# Altium PCB SFarmGW.PcbDoc (part 2 of 2)
Units mm, origin at the board's own origin, x right, y up, seen from the top; angles counter-clockwise.
Board outline 87.5 x 70 mm, 4 copper layers (Top Layer, GND Plane, Power Plane, Bottom Layer), stack 1.597 mm thick; 125 components, 103 nets, 518 pads, 444 vias.
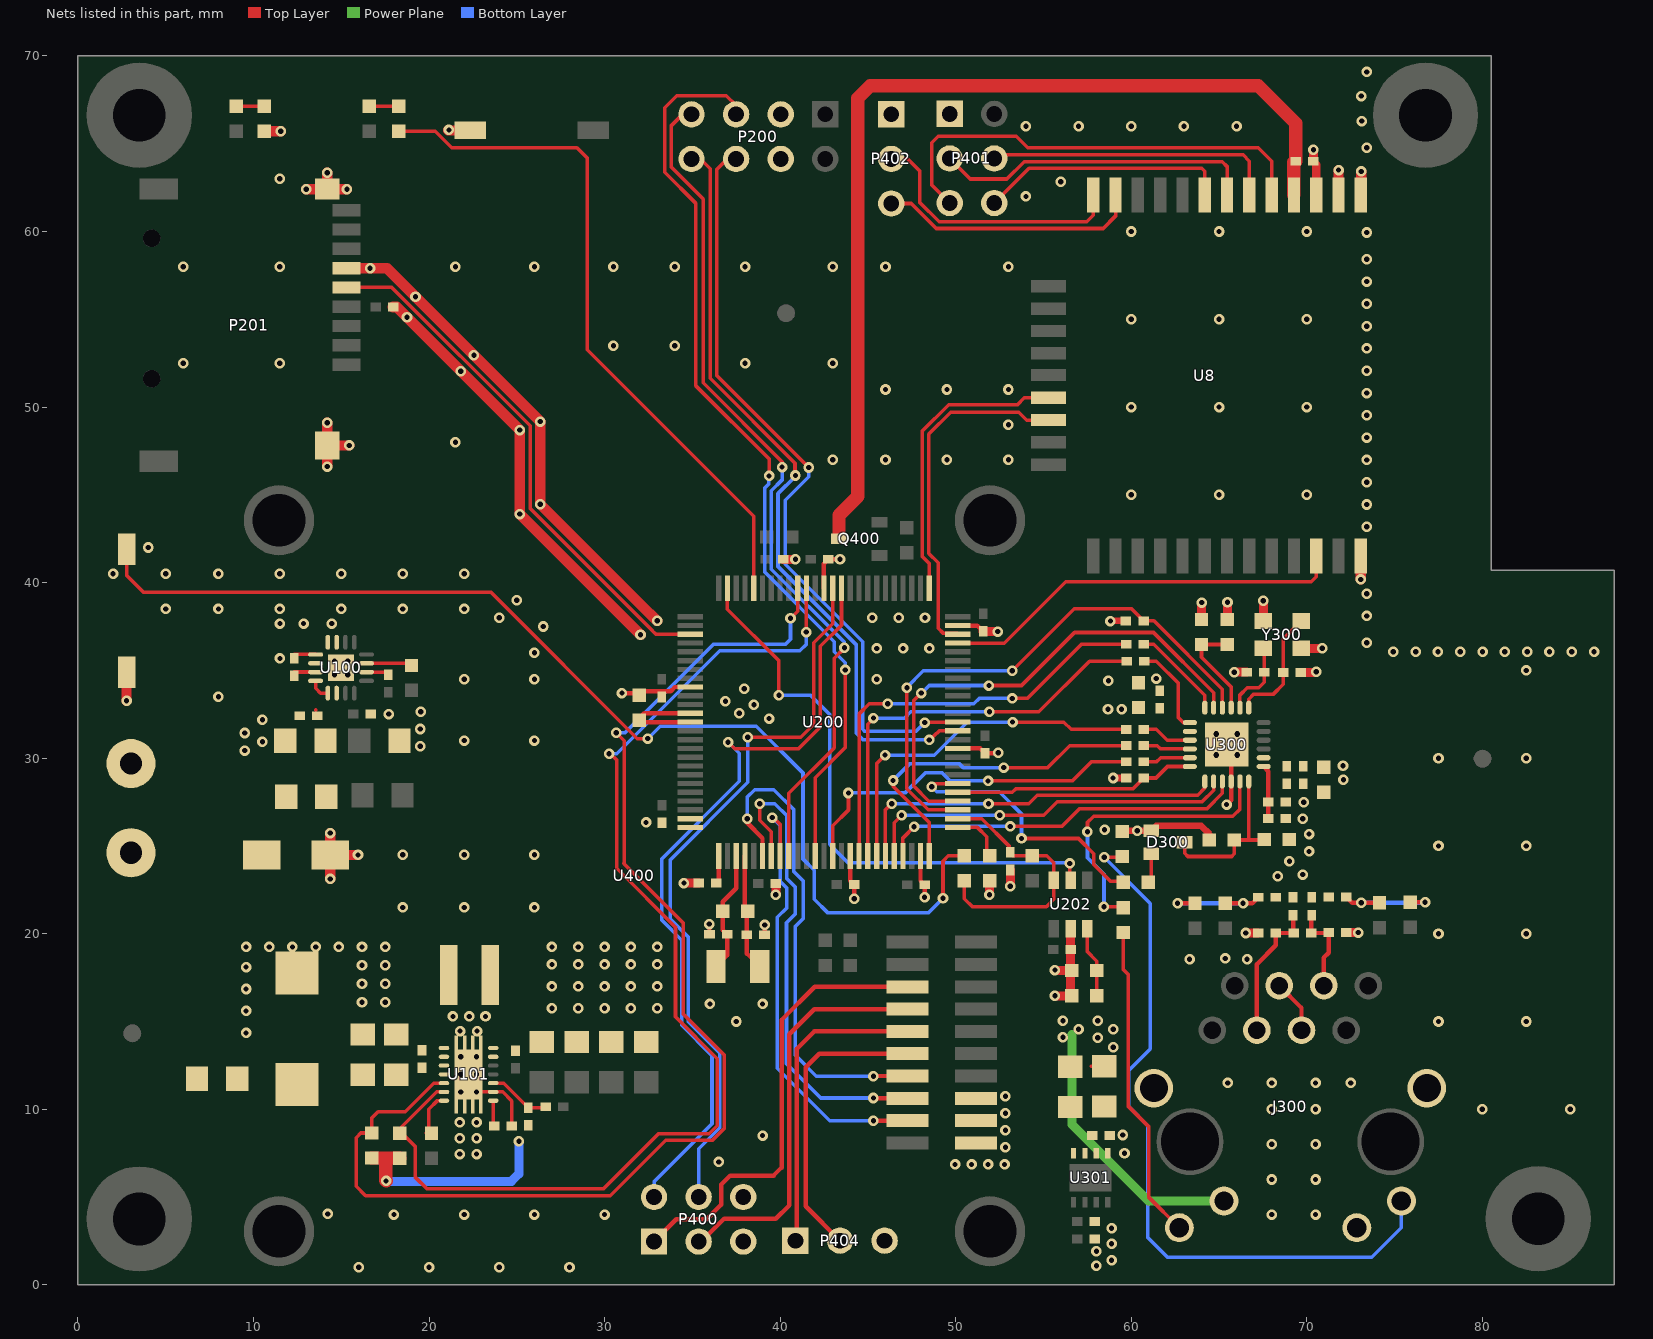
[diagram p4: the nets of this part, all layers, seen from the top]

## Via types
v1: diameter 0.6, hole 0.3, Top Layer to Bottom Layer, tented both sides, 440 vias
v2: diameter 0.66, hole 0.33, Top Layer to Bottom Layer, tented both sides, 4 vias

## Nets (pads, with @x,y where several pads share a name; then routed paths per layer and width w, separated by ;. In a path a pad name is that pad's centre, name@x,y a point inside that pad or via, vN(x,y) a via of type N, cw(c..) or ccw(c..) an arc to the next point about the centre after c; other vN are vias at no path point) (continued)
GND: BT200.1 BT201.2 C10.2 C101.1 C102.1 C103.1 C104.1 C105.1 C106.1 C107.1 C108.1 C109.1 C110.1 C111.1 C112.1 C113.2 C114.1 C115.1 C200.2 C201.2 C202.1 C203.2 C204.1 C205.2 C206.2 C207.1 C208.2 C209.1 C210.2 C211.1 C212.1 C213.1 C300.1 C301.1 C302.1 C303.1 C304.1 C305.1 C306.1 C307.1 C308.1 C309.1 C310.1 C311.1 C312.1 C313.1 C314.1 C315.1 C316.1 C317.1 C400.1 D100.2 J300.9 J300.10 J300.12 P100.1 P200.3 P200.4 P201.6 P201.10 P201.11 P400.5 P400.6 P401.1 P402.1 P404.3 PWR.2 R107.1 R108.1 R109.1 R202.1 R207.1 R210.1 R211.1 R311.1 U8.1 U8.2 U8.3 U8.35 U100.7 U100.8 U100.9 U100.10 U100.17 U101.2 U101.15 U200.9 U200.24 U200.25 U200.41 U200.49 U200.60 U200.74 U200.88 U202.2 U300.22 U300.25 U301.5 U400.15 U400.17 U400.19 Y300.2 Y300.4 | length 131
  Top Layer w0.203: C105.1@12.319,35.908 U100.9@13.532,35.908 ; U101.15@22.25,11.989 22.25,10.989 24.194,10.989 24.714,10.468 24.714,9.054 C115.1@24.706,9.046
  Top Layer w0.254: v1(30.988,33.706) 31.979,33.706 32.088,33.815 33.765,33.815 34.004,34.055 U200.9@34.869,34.055 ; v1@35.966,20.523 v1(35.966,20.549) 35.974,20.541 C204.1@35.974,19.964 ; C207.1@39.108,19.939 39.116,19.947 v1(39.116,20.498) v1@39.116,20.574 ; U200.88@42.494,39.68 42.494,41.08 C201.2@42.74,41.326 v1(43.409,41.326) ; U200.41@43.994,24.43 43.994,23.028 C209.1@44.213,22.809 44.213,21.979 v1(44.221,21.987) ; U200.49@47.994,24.43 47.994,23.016 C211.1@48.227,22.784 v1(48.227,22.081) v1@48.26,22.047 ; U200.60@50.119,30.555 51.394,30.555 C210.2@51.664,30.285 52.408,30.285 v1(52.426,30.302) ; U200.74@50.119,37.555 51.226,37.555 C206.2@51.562,37.219 ; v1(65.43,27.356) 65.69,27.615 U300.22@65.69,28.675 65.69,30.525 U300.25@65.44,30.775 ; C400.1@70.325,64.008 C400.1@70.536,63.797
  Top Layer w0.508: v1(34.519,22.885) C205.2@35.365,22.885 ; C208.2@39.743,22.86 39.751,22.852 v1(39.751,22.225) ; C202.1@40.175,41.326 v1(40.869,41.326) ; C206.2@51.562,37.219 52.392,37.219 v1(52.4,37.211) ; v1(51.918,22.225) R207.1@51.918,23.012 ; v1(53.111,22.708) 53.086,22.708 53.061,22.733 53.111,22.784 C213.1@53.111,23.63 ; v1(55.651,16.459) R211.1@56.617,16.459 56.54,16.535 U202.2@56.54,20.291 ; v1(55.651,17.932) 55.677,17.907 R210.1@56.617,17.907 ; C311.1@64,37.897 64,38.727 64.008,38.735 v1(64.008,38.862) ; R311.1@65.473,37.897 65.473,38.879 v1(65.481,38.887) ; v1@65.837,34.874 v1(65.862,34.9) C313.1@66.573,34.9 ; v1(67.513,38.964) 67.522,38.954 Y300.4@67.522,37.808 ; C312.1@69.656,34.874 70.485,34.874 v1(70.536,34.925) ; Y300.2@69.672,36.258 v1(70.879,36.258) v1@70.891,36.246 ; C400.1@70.375,64.008 v1(70.375,64.66) ; U8.3@70.536,62.078 C400.1@70.536,63.797
  Top Layer w0.584: v1(2.769,33.274) BT201.2@2.769,34.905 ; PWR.2@10.617,65.71 v1(11.557,65.71) ; v1(13.011,62.414) P201.10@14.197,62.414 ; v1(14.197,46.61) P201.11@14.197,47.814 ; v1(14.197,49.099) P201.11@14.197,47.814 ; v1(14.197,63.346) P201.10@14.197,62.414 ; v1(14.371,23.12) D100.2@14.371,24.486 ; v1(14.371,25.736) D100.2@14.371,24.486 ; v1(15.322,62.414) P201.10@14.197,62.414 ; v1(15.454,47.814) P201.11@14.197,47.814 ; v1(15.951,24.486) D100.2@14.371,24.486 ; v1@21.092,65.771 21.118,65.771 v1(21.133,65.786) 21.158,65.761 BT200.1@22.357,65.761 ; U8.2@71.806,62.078 v1(71.806,63.5) ; v1(73.076,40.183) U8.35@73.076,41.518 ; U8.1@73.076,62.078 73.101,62.103 v1(73.101,63.424)
  Top Layer w0.61: P201.6@15.297,57.914 17.6,57.914 v1(19.227,56.286) v1(22.555,52.958) v1(26.34,49.174) v1(26.34,44.463) 32.606,38.197 32.613,38.197 32.989,37.821 v1(32.995,37.821) ; C10.2@17.95,55.702 18.159,55.702 v1(25.171,48.69) v1(25.171,43.906) v1(32.045,37.033)
  Top Layer w0.762: R108.1@16.746,7.224 17.526,7.224 ; v1(17.551,5.918) 17.526,5.944 17.526,7.224 ; R109.1@18.339,7.217 18.331,7.224 17.526,7.224
  Bottom Layer w0.508: v1@17.551,5.893 24.689,5.893 25.121,6.325 v1(25.121,8.179)
  other v1: 16,1 20,1 24,1 28,1 58.014,1.092 58.877,1.397 58.014,1.905 58.877,2.337 58.877,3.226 18,4 22,4 26,4 30,4 68,4 70.5,4 14.224,4.039 68,6 70.5,6 49.962,6.858 50.902,6.858 51.841,6.858 52.781,6.858 36.5,7 21.742,7.446 22.708,7.446 59.614,7.493 52.832,7.83 68,8 70.5,8 21.742,8.347 22.708,8.347 39,8.5 59.512,8.534 52.832,8.801 21.742,9.249 22.708,9.249 52.832,9.773 68,10 70.5,10 80,10 85,10 52.832,10.744 21.8,10.989 22.7,10.989 65.5,11.5 68,11.5 70.5,11.5 72.5,11.5 21.8,11.989 22.7,11.989 21.8,12.989 22.7,12.989 9.577,14.351 21.768,14.456 22.733,14.456 37.5,15 77.5,15 82.5,15 21.361,15.291 22.288,15.291 23.216,15.291 9.577,15.601 27,15.75 28.5,15.75 30,15.75 31.5,15.75 33,15.75 36,16 39,16 16.179,16.101 17.5,16.101 9.577,16.851 27,17 28.5,17 30,17 31.5,17 33,17 16.179,17.151 17.5,17.151 9.577,18.101 16.179,18.2 17.5,18.2 27,18.25 28.5,18.25 30,18.25 31.5,18.25 33,18.25 63.322,18.542 66.599,18.542 65.354,18.593 9.577,19.25 10.897,19.25 12.218,19.25 13.538,19.25 14.859,19.25 16.179,19.25 17.5,19.25 27,19.25 28.5,19.25 30,19.25 31.5,19.25 33,19.25 77.5,20 82.5,20 18.5,21.5 22,21.5 26,21.5 68.351,23.266 69.774,23.368 69.012,24.13 18.5,24.5 22,24.5 26,24.5 70.129,24.689 77.5,25 82.5,25 70.129,25.679 32.36,26.34 69.774,26.543 69.825,27.483 77.5,30 82.5,30 9.505,30.433 19.505,30.683 10.505,30.933 22,31 26,31 9.505,31.433 19.505,31.661 10.505,32.183 39.37,32.258 17.704,32.512 37.668,32.563 19.533,32.639 38.506,33.045 36.881,33.249 8,33.5 37.948,33.96 58.699,34.407 22,34.5 26,34.5 45.5,34.5 61.427,34.534 14.611,34.754 15.361,34.754 82.5,35 14.611,35.529 15.361,35.529 11.505,35.683 26,36 74.93,36.068 76.2,36.068 77.47,36.068 78.74,36.068 80.01,36.068 81.28,36.068 82.55,36.068 83.82,36.068 85.09,36.068 86.36,36.068 45.5,36.25 47,36.25 48.5,36.25 73.406,36.576 26.5,37.5 11.506,37.668 12.852,37.668 14.453,37.668 24,38 45.25,38 46.75,38 48.25,38 73.406,38.1 5,38.5 8,38.5 11.5,38.5 15,38.5 18.5,38.5 22,38.5 25,39 73.406,39.37 2,40.5 5,40.5 8,40.5 11.5,40.5 15,40.5 18.5,40.5 22,40.5 4,42 73.406,43.18 73.406,44.45 60,45 65,45 70,45 73.406,45.72 73.406,46.99 43,47 46,47 49.5,47 53,47 21.5,48 73.406,48.26 53,49 73.406,49.53 60,50 65,50 70,50 73.406,50.8 46,51 49.5,51 53,51 21.803,52.047 73.406,52.07 6,52.5 11.5,52.5 38,52.5 43,52.5 73.406,53.34 30.5,53.5 34,53.5 73.406,54.61 60,55 65,55 70,55 18.743,55.118 73.406,55.88 73.406,57.15 16.637,57.912 6,58 11.5,58 21.5,58 26,58 30.5,58 34,58 38,58 43,58 46,58 53,58 73.406,58.42 73.406,59.944 60,60 65,60 70,60 54,62 55.982,62.84 11.5,63 73.406,64.77 54,66 57,66 60,66 63,66 66,66 73.127,66.294 73.101,67.716 73.406,69.088
  other v2: 64.84,30.175 66.04,30.175 64.84,31.375 66.04,31.375
GNSS_VCC_CTRL: U200.31 U400.14 | length 28.3
  Top Layer w0.254: v1(38.125,26.543) 38.125,26.314 38.994,25.446 U200.31@38.994,24.43 ; v1(45.314,11.887) 45.321,11.895 U400.14@47.25,11.895
  Bottom Layer w0.203: v1(38.125,26.543) 38.125,27.788 38.544,28.207 39.637,28.207 40.767,27.076 40.767,23.546 41.326,22.987 41.326,20.879 40.869,20.422 40.869,13.081 42.062,11.887 v1(45.314,11.887)
LED1/SPEED: R316.2 U300.23 | length 16.9
  Top Layer w0.203: v1@57.508,25.806 57.508,26.342 57.861,26.695 65.786,26.695 66.19,27.099 U300.23@66.19,28.675 ; v1@58.445,21.53 R316.2@59.538,21.53
  Bottom Layer w0.203: v1(57.506,25.806) 57.506,24.333 58.445,23.393 v1(58.445,21.539)
LED_STT: STT.2 U200.96 | length 39.8
  Top Layer w0.203: STT.2@18.263,65.71 20.345,65.71 21.285,64.77 28.423,64.77 29.007,64.186 29.007,53.258 38.494,43.771 U200.96@38.494,39.68
NetBT201_1: BT201.1 R212.1 | length 64.2
  Top Layer w0.203: BT201.1@2.769,41.905 2.769,40.411 3.734,39.446 23.532,39.446 31.863,31.115 v1(32.461,31.115) ; v1(49.276,22.022) 49.276,24.13 49.581,24.435 R212.1@50.495,24.435
  Bottom Layer w0.203: v1(32.461,31.115) 33.172,31.826 38.633,31.826 41.3,29.159 41.3,24.257 41.935,23.622 41.935,21.971 42.723,21.184 48.438,21.184 v1(49.276,22.022)
NetC100_1: C100.1 U100.2 | length 1.1
  Top Layer w0.203: U100.2@16.436,34.904 C100.1@17.539,34.904
NetC103_2: C103.2 C104.2 L100.2 U100.12 U100.13 U100.14 | length 1.2
  Top Layer w0.203: 13.536,32.743 13.538,32.741 ; U100.12@13.536,34.404 13.536,33.987 13.82,33.704 U100.13@14.236,33.704
NetC105_2: C105.2 U100.11 | length 1.2
  Top Layer w0.203: C105.2@12.319,34.908 U100.11@13.532,34.908
NetC111_2: C111.2 C112.2 C113.1 C114.2 L102.2 U101.10 U101.11
NetC115_2: C115.2 U101.1 | length 1.5
  Top Layer w0.203: U101.1@23.65,10.489 23.65,9.102 C115.2@23.706,9.046
NetC204_2: C204.2 R206.2 U200.28 Y200.1 | length 7
  Top Layer w0.254: Y200.1@36.342,18.136 36.974,18.768 C204.2@36.974,19.964 36.728,20.21 R206.2@36.728,21.285 36.728,21.819 37.494,22.584 U200.28@37.494,24.43
NetC205_1: C205.1 U200.26 | length 1.6
  Top Layer w0.254: C205.1@36.365,22.885 36.494,23.015 U200.26@36.494,24.43
NetC207_2: C207.2 R206.1 U200.29 Y200.2 | length 6.6
  Top Layer w0.254: U200.29@37.994,24.43 37.994,21.442 R206.1@38.151,21.285 ; R206.1@38.108,21.242 C207.2@38.108,19.939 38.108,18.87 Y200.2@38.842,18.136
NetC300_2: C300.2 D300.3 R300.2 U300.24 | length 9.4
  Top Layer w0.203: D300.3@63.037,25.213 63.037,24.593 63.23,24.4 65.719,24.4 65.872,24.552 R300.2@65.872,25.34 66.71,25.34 ; U300.24@66.69,28.675 66.69,25.36 66.71,25.34 ; C300.2@67.574,25.365 67.548,25.34 66.71,25.34
NetC301_2: C301.2 C302.2 U300.1 | length 3.3
  Top Layer w0.254: U300.1@67.731,29.525 U300.1@67.54,29.525 67.81,29.255 C301.2@67.81,26.559
NetC314_2: C314.2 R314.1 R315.1 | length 6.7
  Top Layer w0.254: v1(62.636,21.742) R314.1@63.627,21.742 ; R315.1@65.354,21.742 66.901,21.742 C314.2@67.232,22.073
  Bottom Layer w0.254: v1(62.636,21.742) v1(66.37,21.742)
NetC315_2: C315.2 J300.3 R309.1 R312.2 | length 8
  Top Layer w0.254: J300.3@67.158,14.503 67.158,18.263 68.232,19.337 R309.1@68.232,20.041 R312.2@69.251,20.041 69.218,20.074 C315.2@69.218,21.065
NetC316_2: C316.2 J300.6 R310.1 R312.1 | length 5.2
  Top Layer w0.254: C316.2@70.284,21.065 70.251,21.031 R312.1@70.251,20.041 71.219,20.041 R310.1@71.245,20.066 71.245,18.921 70.968,18.644 J300.6@70.968,17.043
NetC317_2: C317.2 R317.1 R318.1 | length 6.5
  Top Layer w0.254: C317.2@72.245,22.098 72.575,21.768 R318.1@74.143,21.768 ; R317.1@75.895,21.793 v1(76.733,21.793)
  Bottom Layer w0.254: v1(73.101,21.768) 76.708,21.768 v1(76.733,21.793)
NetD300_2: D300.2 R301.2 | length 1.6
  Top Layer w0.203: R301.2@61.137,22.993 D300.2@61.137,24.563
NetJ300_4: J300.4 J300.5 | length 3.1
  Top Layer w0.254: J300.4@68.428,17.043 69.698,15.773 J300.5@69.698,14.503
NetJ300_11: J300.11 R313.1 | length 41.9
  Top Layer w0.203: v1(58.455,24.349) 59.446,24.349 R313.1@59.496,24.4
  Bottom Layer w0.203: v1(58.455,24.349) 61.087,21.717 61.087,13.437 59.868,12.217 59.868,10.135 60.935,9.068 60.935,2.692 62.062,1.565 73.695,1.565 75.388,3.258 J300.11@75.388,4.773
NetJ300_14: J300.14 R316.1 | length 18.1
  Top Layer w0.203: R316.1@59.538,20.066 59.538,17.962 59.817,17.683 59.817,10.185 60.985,9.017 60.985,5.006 J300.14@62.738,3.253
NetL101_1: L101.1 U101.8 U101.9
NetL101_2: L101.2 U101.6 U101.7
NetP400_1: P400.1 U400.6 | length 26
  Top Layer w0.254: P400.1@32.817,2.464 34.087,3.734 35.814,3.734 36.652,4.572 36.652,5.715 37.16,6.223 39.624,6.223 40.081,6.68 40.081,15.088 41.969,16.975 U400.6@47.25,16.975
NetP400_3: P400.3 U400.8 | length 23.1
  Top Layer w0.254: P400.3@35.357,2.464 35.51,2.464 36.806,3.759 39.751,3.759 40.513,4.521 40.513,14.275 41.943,15.705 U400.8@47.25,15.705
NetPWR_1: PWR.1 R103.1 | length 1.6
  Top Layer w0.203: R103.1@9.017,67.132 PWR.1@10.617,67.132
NetR101_1: R101.1 U100.3 | length 2.6
  Top Layer w0.203: U100.3@16.436,35.404 18.876,35.404 R101.1@18.999,35.281
NetR104_1: R104.1 R107.2 U101.3 | length 3.6
  Top Layer w0.203: U101.3@23.65,11.489 24.252,11.489 25.654,10.087 R107.2@25.654,10.079 26.594,10.079 R104.1@26.653,10.138
NetR202_2: R202.2 U200.12 U200.13 | length 6
  Top Layer w0.254: U200.13@34.869,32.055 32.207,32.055 31.979,32.283 32.25,32.555 U200.12@34.869,32.555
NetR208_1: R208.1 STT.1 | length 1.7
  Top Layer w0.203: R208.1@16.586,67.132 STT.1@18.263,67.132
NetR210_2: R210.2 R211.2 U202.3 | length 4.3
  Top Layer w0.203: U202.3@57.49,20.291 57.49,18.989 58.039,18.44 R211.2@58.039,16.205
NetR303_1: R303.1 U300.17 | length 2.7
  Top Layer w0.203: R303.1@60.708,29.793 61.441,29.793 61.674,30.025 U300.17@63.34,30.025
NetR304_1: R304.1 U300.16 | length 2.7
  Top Layer w0.203: R304.1@60.708,30.716 61.486,30.716 61.677,30.525 U300.16@63.34,30.525
NetR305_1: R305.1 U300.15 | length 2.9
  Top Layer w0.203: R305.1@60.708,31.639 61.427,31.639 62.04,31.025 U300.15@63.34,31.025
NetR306_1: R306.1 U300.13 | length 5.2
  Top Layer w0.203: R306.1@60.733,35.525 61.427,35.525 62.687,34.265 62.687,32.309 62.971,32.025 U300.13@63.34,32.025
NetR307_2: R307.2 U300.12 | length 5.4
  Top Layer w0.203: R307.2@60.708,36.49 61.274,36.49 64.19,33.575 U300.12@64.19,32.875
NRESET: C213.2 R209.2 R212.2 U200.52 U202.6 | length 15.3
  Top Layer w0.203: U200.52@50.119,26.555 51.474,26.555 53.061,24.968 53.061,24.63 53.256,24.435 R209.2@54.356,24.435 55.194,24.435 55.59,24.039 U202.6@55.59,23.041 55.59,21.961 55.169,21.539 50.952,21.539 50.495,21.996 R212.2@50.495,23.012
NRST_3G: U200.33 U400.18 | length 25.9
  Top Layer w0.203: v1(39.548,26.619) 39.613,26.619 39.994,26.238 U200.33@39.994,24.43
  Top Layer w0.254: v1(45.314,9.347) 45.321,9.355 U400.18@47.25,9.355
  Bottom Layer w0.203: v1(39.548,26.619) 40.005,26.162 40.005,22.976 40.386,22.595 40.386,21.488 39.827,20.93 39.827,12.344 42.824,9.347 v1(45.314,9.347)
P3V3: C306.2 L300.1 L301.1 U301.6 U301.7 U301.8
P3V3_ZBE: C400.2 Q400.3 U8.4 | length 55.7
  Top Layer w0.762: Q400.3@43.351,42.57 43.351,43.833 44.425,44.907 44.425,67.589 45.136,68.301 67.234,68.301 69.375,66.159 C400.2@69.375,64.008 ; U8.4@69.266,62.078 69.266,63.949 C400.2@69.325,64.008
PG_DUST: R106.1 U101.14 | length 2.3
  Top Layer w0.203: R106.1@19.845,8.647 19.99,8.792 19.99,10.006 20.482,10.497 U101.14@20.679,10.497
PHY_RST_B: R301.1 U200.56 | length 16
  Top Layer w0.203: v1(48.641,28.372) 48.824,28.555 U200.56@50.119,28.555 ; v1(53.746,25.425) 56.998,25.425 57.871,24.552 57.871,23.942 58.836,22.977 R301.1@59.7,22.977
  Bottom Layer w0.203: v1(48.641,28.372) 48.92,28.092 52.476,28.092 53.746,26.822 v1(53.746,25.425)
PS/SYNC_3G: R109.2 U101.13 U200.90 | length 66.3
  Top Layer w0.203: R109.2@18.339,8.639 18.462,8.64 19.202,7.899 19.202,6.147 19.888,5.461 29.921,5.461 33.071,8.611 35.966,8.611 36.424,9.068 36.424,12.878 34.036,15.265 34.036,20.371 30.683,23.724 30.683,29.896 30.328,30.251 v1(30.251,30.251) ; R109.2@18.384,8.647 18.384,8.939 20.434,10.989 U101.13@20.85,10.989 ; v1(41.478,37.186) 41.494,37.202 U200.90@41.494,39.68
  Bottom Layer w0.203: v1(30.251,30.251) 30.683,30.251 36.551,36.119 41.123,36.119 41.478,36.474 v1(41.478,37.186)
PW_KEY_CTRL: U200.32 U400.16 | length 27.3
  Top Layer w0.203: v1(38.837,27.407) 38.837,26.467 39.494,25.809 U200.32@39.494,24.43
  Top Layer w0.254: v1(45.314,10.643) 45.331,10.625 U400.16@47.25,10.625
  Bottom Layer w0.203: v1(38.837,27.407) 39.7,27.407 40.386,26.721 40.386,23.134 40.869,22.651 40.869,21.133 40.361,20.625 40.361,12.598 42.316,10.643 v1(45.314,10.643)
REXT: C311.2 R311.2 U300.9 | length 5.8
  Top Layer w0.203: R311.2@65.473,36.474 C311.2@64,36.474 64,35.746 65.69,34.056 U300.9@65.69,32.875
RMII0_CLKOUT: R304.2 U200.50 | length 19.4
  Top Layer w0.203: v1(46.431,28.727) 46.431,28.397 48.494,26.334 U200.50@48.494,24.43 ; v1(52.73,29.464) 55.245,29.464 56.497,30.716 R304.2@59.708,30.716
  Bottom Layer w0.203: v1(46.431,28.727) 47.396,29.693 50.19,29.693 50.419,29.464 v1(52.73,29.464)
RMII0_CRS_DV: R305.2 U200.44 | length 20.6
  Top Layer w0.203: U200.44@45.494,24.43 45.494,29.695 v1(45.974,30.175) ; v1(53.238,32.055) 56.159,32.055 56.575,31.639 R305.2@59.708,31.639
  Bottom Layer w0.203: v1(45.974,30.175) 48.768,30.175 50.648,32.055 v1(53.238,32.055)
RMII0_INT_B: R302.1 U200.55 U300.18 | length 13.8
  Top Layer w0.203: U200.55@50.119,28.055 53.226,28.055 53.442,28.27 60.108,28.27 R302.1@60.708,28.87 61.408,28.87 62.063,29.525 U300.18@63.34,29.525
RMII0_MDC: U200.54 U300.11 | length 28.7
  Top Layer w0.203: v1(48.031,33.706) 47.6,33.274 47.6,28.423 48.467,27.555 U200.54@50.119,27.555 ; v1(51.892,34.138) 53.746,34.138 56.769,37.16 61.265,37.16 64.69,33.735 U300.11@64.69,32.875
  Bottom Layer w0.203: v1(48.031,33.706) 48.057,33.706 48.489,34.138 v1(51.892,34.138)
RMII0_MDIO: R308.2 U200.53 U300.10 | length 32
  Top Layer w0.203: v1(47.219,34.011) 47.219,28.265 48.429,27.055 U200.53@50.119,27.055 ; v1(53.213,34.976) 56.744,38.506 60.012,38.506 R308.2@60.698,37.821 61.29,37.821 65.19,33.921 U300.10@65.19,32.875
  Bottom Layer w0.203: v1(47.219,34.011) 47.193,34.011 48.158,34.976 v1(53.213,34.976)
RMII0_RXD_0: R306.2 U200.43 | length 23.7
  Top Layer w0.203: U200.43@44.994,24.43 44.994,31.939 45.314,32.258 v1(45.314,32.283) ; v1(51.918,32.639) 54.737,32.639 57.623,35.525 R306.2@59.733,35.525
  Bottom Layer w0.203: v1(45.314,32.283) 47.092,32.283 47.447,32.639 v1(51.918,32.639)
RMII0_RXD_1: R307.1 U200.42 | length 24.9
  Top Layer w0.203: U200.42@44.494,24.43 44.494,32.512 45.078,33.096 v1(46.126,33.096) ; v1(53.213,33.401) 54.077,33.401 57.166,36.49 R307.1@59.708,36.49
  Bottom Layer w0.203: v1(46.126,33.096) 51.029,33.096 51.333,33.401 v1(53.213,33.401)
RMII0_RXER: R303.2 U200.39 | length 20.9
  Top Layer w0.203: U200.39@42.994,24.43 42.994,26.154 43.891,27.051 v1(43.891,28.016) ; v1(51.841,28.702) 56.642,28.702 57.733,29.793 R303.2@59.708,29.793
  Bottom Layer w0.203: v1(43.891,28.016) 43.917,28.042 47.142,28.042 48.26,29.159 49.225,29.159 49.682,28.702 v1(51.841,28.702)
RMII0_TXD_0: U200.46 U300.20 | length 21.4
  Top Layer w0.203: U200.46@46.494,24.43 46.494,26.327 v1(46.914,26.746) ; v1(52.502,26.746) 55.016,26.746 55.778,27.508 64.033,27.508 64.69,28.165 U300.20@64.69,28.675
  Bottom Layer w0.203: v1(46.914,26.746) v1(52.502,26.746)
RMII0_TXD_1: U200.47 U300.21 | length 20.9
  Top Layer w0.203: U200.47@46.994,24.43 46.994,25.455 v1(47.625,26.086) ; v1(53.111,26.111) 56.032,26.111 57.048,27.127 64.313,27.127 65.19,28.004 U300.21@65.19,28.675
  Bottom Layer w0.203: v1(47.625,26.086) 47.65,26.111 v1(53.111,26.111)
RMII0_TXEN: U200.45 U300.19 | length 21.7
  Top Layer w0.203: U200.45@45.994,24.43 45.994,27.046 v1(46.355,27.407) ; v1(51.867,27.407) 54.153,27.407 54.635,27.889 63.779,27.889 64.19,28.3 U300.19@64.19,28.675
  Bottom Layer w0.203: v1(46.355,27.407) v1(51.867,27.407)
RMII_XTALI: C313.2 U300.8 Y300.1 | length 4.4
  Top Layer w0.203: U300.8@66.19,32.875 66.19,33.602 66.599,34.011 67.259,34.011 67.573,34.325 C313.2@67.573,34.9 67.573,36.207 Y300.1@67.522,36.258
RMII_XTALO: C312.2 U300.7 Y300.3 | length 6.8
  Top Layer w0.203: U300.7@66.69,32.875 66.69,33.365 66.954,33.63 68.072,33.63 68.656,34.214 C312.2@68.656,34.874 68.656,36.792 Y300.3@69.672,37.808
RST_ZB: U8.33 U200.72 | length 23.2
  Top Layer w0.203: U200.72@50.119,36.555 52.76,36.555 56.261,40.056 70.256,40.056 70.536,40.335 U8.33@70.536,41.518
RX_3G: P400.4 U200.87 | length 41.8
  Top Layer w0.203: v1@38.278,31.191 41.168,31.191 41.91,31.933 41.91,36.576 42.994,37.66 U200.87@42.994,39.68
  Bottom Layer w0.203: P400.4@35.357,5.004 35.357,7.747 36.551,8.941 36.551,13.208 34.773,14.986 34.773,19.812 33.731,20.853 33.731,24.201 38.151,28.62 v1(38.151,31.191)
RX_DBG_3G: P404.2 U400.12 | length 16.8
  Top Layer w0.254: P404.2@43.409,2.515 41.453,4.47 41.453,12.395 42.223,13.165 U400.12@47.25,13.165
RX_DBG_ZB: P402.2 U8.13 | length 15.3
  Top Layer w0.203: P402.2@46.33,64.135 47.269,64.135 47.955,63.449 47.955,61.651 49.053,60.554 57.455,60.554 57.836,60.935 U8.13@57.836,62.078
RX_UART0: P200.8 U200.62 | length 44.1
  Top Layer w0.203: P200.8@34.95,64.643 36.017,63.576 36.017,51.633 40.843,46.807 40.843,46.126 v1(40.869,46.101) ; v1(48.489,31.039) 49.055,31.555 U200.62@50.119,31.555
  Bottom Layer w0.203: v1(40.869,46.101) 40.869,46.065 39.878,45.074 39.878,40.919 44.323,36.474 44.323,31.445 44.729,31.039 v1(48.489,31.039)
RX_ZB: U8.19 U200.76 | length 17.1
  Top Layer w0.203: U200.76@48.494,39.68 48.494,41.092 48.082,41.504 48.082,48.621 49.601,50.14 53.518,50.14 53.906,50.528 U8.19@55.296,50.528
SD_CLK: P201.5 U200.3 | length 30.5
  Top Layer w0.203: P201.5@15.297,56.814 17.873,56.814 25.756,48.932 25.756,44.221 32.364,37.613 32.371,37.613 32.71,37.273 32.71,37.267 32.922,37.055 U200.3@34.869,37.055
SWD_CLK: P200.7 U200.34 | length 49.1
  Top Layer w0.203: P200.7@34.95,67.183 33.807,66.04 33.807,63.652 35.611,61.849 35.611,51.384 40.107,46.888 v1(40.107,46.584) ; U200.34@40.494,24.43 40.494,27.997 43.078,30.582 43.078,35.687 43.663,36.271 v1(43.663,36.297)
  Bottom Layer w0.203: v1(40.107,46.584) 40.107,45.842 39.497,45.232 39.497,40.762 43.663,36.596 v1(43.663,36.297)
SWD_DIO: P200.5 U200.37 | length 52.4
  Top Layer w0.203: P200.5@37.49,67.183 36.932,67.742 34.112,67.742 33.426,67.056 33.426,63.373 35.179,61.62 35.179,51.232 39.37,47.041 v1(39.37,46.076) ; U200.37@41.994,24.43 41.994,28.888 43.713,30.607 v1(43.713,35.027)
  Bottom Layer w0.203: v1(39.37,46.076) 39.345,46.05 39.345,45.618 39.116,45.39 39.116,40.604 43.083,36.637 43.083,36.057 43.713,35.426 v1(43.713,35.027)
TCK: P401.4 U8.6 | length 16.7
  Top Layer w0.203: P401.4@52.197,64.694 52.527,64.364 66.37,64.364 66.726,64.008 U8.6@66.726,62.078
TDI: P401.6 U8.8 | length 14.2
  Top Layer w0.203: P401.6@52.197,61.62 54.178,63.602 64.008,63.602 64.186,63.424 U8.8@64.186,62.078
TDO: P401.3 U8.7 | length 18.4
  Top Layer w0.203: P401.3@49.657,64.16 50.825,62.992 52.908,62.992 53.899,63.983 65.176,63.983 65.456,63.703 U8.7@65.456,62.078
TMS: P401.5 U8.5 | length 25.9
  Top Layer w0.203: P401.5@49.657,61.62 48.628,62.65 48.628,65.061 48.997,65.43 53.442,65.43 54.102,64.77 67.234,64.77 67.996,64.008 U8.5@67.996,62.078
TX_3G: P400.2 U200.86 | length 44.9
  Top Layer w0.203: v1(37.033,30.912) 37.414,30.531 41.046,30.531 42.291,31.775 42.291,36.373 43.494,37.576 U200.86@43.494,39.68
  Bottom Layer w0.203: P400.2@32.817,5.004 32.817,5.867 36.119,9.169 36.119,13.056 34.392,14.783 34.392,19.634 33.249,20.777 33.249,24.257 37.668,28.677 37.668,30.277 v1(37.033,30.912)
TX_DBG_3G: P404.1 U400.10 | length 17.7
  Top Layer w0.254: P404.1@40.869,2.515 40.945,2.591 40.945,13.437 41.943,14.435 U400.10@47.25,14.435
TX_DBG_ZB: P402.3 U8.12 | length 14.9
  Top Layer w0.203: P402.3@46.33,61.595 47.473,61.595 48.895,60.173 58.395,60.173 59.106,60.884 U8.12@59.106,62.078
TX_UART0: P200.6 U200.63 | length 43.7
  Top Layer w0.203: P200.6@37.49,64.643 36.398,63.551 36.398,51.791 v1(41.631,46.558) ; v1(48.235,32.029) 48.26,32.055 U200.63@50.119,32.055
  Bottom Layer w0.203: v1(41.631,46.558) 41.631,46.025 40.289,44.683 40.289,41.047 44.704,36.632 44.704,31.648 44.831,31.521 47.727,31.521 v1(48.235,32.029)
TX_ZB: U8.20 U200.73 | length 20.1
  Top Layer w0.203: U200.73@50.119,37.055 50.049,37.125 49.273,37.125 48.997,37.402 48.997,41.128 48.463,41.661 48.463,48.463 49.708,49.708 53.594,49.708 54.044,49.258 U8.20@55.296,49.258
VBAT_CTRL_E: R108.2 U101.12 U200.91 | length 72.6
  Top Layer w0.203: U101.12@20.85,11.489 20.274,11.489 18.644,9.859 17.094,9.859 16.746,9.51 R108.2@16.746,8.647 16.114,8.647 15.85,8.382 15.85,5.613 16.383,5.08 30.328,5.08 33.477,8.23 36.144,8.23 36.805,8.89 36.805,13.106 34.468,15.443 34.468,20.625 31.09,24.003 31.115,24.028 31.115,30.988 v1(30.658,31.445) ; v1(40.589,37.973) 40.994,38.378 U200.91@40.994,39.68
  Bottom Layer w0.203: v1(30.658,31.445) 31.166,31.445 36.22,36.5 40.31,36.5 40.589,36.779 v1(40.589,37.973)
VDDA_ENET: C303.2 C304.2 C305.2 L301.2 R309.2 R310.2 U300.2 | length 1.8
  Top Layer w0.203: 57.734,12.446 L301.2@58.166,12.446
  Top Layer w0.508: v1(66.523,20.041) R309.2@67.232,20.041 ; R310.2@72.245,20.066 v1(72.923,20.066)
  other v1: 58.979,13.538 58.09,14.072 58.979,14.554 58.09,15.037 72.085,28.778 72.06,29.566
VDIO_ENET: C307.2 C309.2 D300.1 J300.13 L300.2 R300.1 R302.2 R308.1 R313.2 U300.14 | length 22.7
  Top Layer w0.381: v1(58.811,37.811) 58.82,37.821 R308.1@59.698,37.821 R308.1@59.682,37.836 ; v1@58.938,28.896 v1(58.963,28.87) R302.2@59.708,28.87 ; R313.2@59.674,25.822 59.715,25.863 D300.1@61.137,25.863 61.427,26.152 63.967,26.152 64.449,25.67 R300.1@64.449,25.34
  Power Plane w0.508: 56.617,14.249 56.617,9.144 60.987,4.773 J300.13@65.278,4.773
  other v1: 56.109,14.097 56.998,14.554 56.109,15.037 60.335,25.873 58.48,25.924 58.674,32.791 59.446,32.791
VIN: D100.1 L100.1 L102.1 P100.2
WAKE: U200.99 U202.5 | length 33.2
  Top Layer w0.203: U200.99@36.994,39.68 36.994,38.475 39.929,35.54 v1(39.929,33.579) ; v1(56.49,24.003) 56.49,23.092 U202.5@56.54,23.041
  Top Layer w0.254: v1(56.49,24.003) v1@56.54,23.952
  Bottom Layer w0.203: v1(39.929,33.579) 41.732,33.579 42.824,32.487 42.824,25.086 43.857,24.054 56.439,24.054 v1(56.49,24.003)
XTAL0: R207.2 U200.51 | length 3
  Top Layer w0.203: U200.51@50.119,26.055 51.237,26.055 51.765,25.527 R207.2@51.765,24.435
pads on no net: F100. F101. F102. F103. F104. F105. J300.HM1 J300.HM2 P201.0 P201.12 P201.13 U8.9 U8.10 U8.11 U8.14 U8.15 U8.16 U8.17 U8.18 U8.21 U8.22 U8.23 U8.24 U8.25 U8.26 U8.27 U8.28 U8.29 U8.30 U8.31 U8.32 U8.34 U100.4 U100.5 U100.6 U200.10 U200.11 U200.14 U200.15 U200.16 U200.17 U200.18 U200.19 U200.20 U200.21 U200.27 U200.35 U200.36 U200.38 U200.57 U200.58 U200.59 U200.64 U200.65 U200.66 U200.67 U200.68 U200.69 U200.70 U200.71 U200.78 U200.79 U200.80 U200.81 U200.82 U200.83 U200.84 U200.92 U200.93 U200.94 U400. U400.20

## Polygon pours and split planes (outlines as drawn)
3V3_K64 on Power Plane "3V3_K64_L03_P008" (solid, pour order 8): 55.093,0.432 57.404,0.432 57.429,0.406 57.455,0.432 57.455,4.851 55.524,6.782 55.524,12.725 55.524,23.952 53.772,23.952 53.238,24.486 53.238,5.74 55.114,3.865
VDDA_ENET on Power Plane "VDDA_ENET_L03_P006" (solid, pour order 6): 57.734,17.196 57.734,13.157 59.792,13.157 59.792,16.683 62.306,19.202 73.49,19.202 73.49,20.236 72.644,21.082 72.644,30.251 70.79,30.251 70.79,22.631 69.063,20.904 61.443,20.904
VDIO_ENET on Power Plane "VDIO_ENET_L03_P004" (solid, pour order 4): 58.039,38.824 60.884,38.824 60.884,20.98 57.379,17.475 57.379,13.183 55.804,13.183 55.804,19.126 57.998,21.321
3V8 on Power Plane "3V8_L03_P018" (solid, remove dead copper, pour order 18): 32.893,12.37 42.266,12.37 42.266,21.311 53.061,21.311 53.061,12.37 44.933,12.37 44.933,9.423 32.893,9.423
3V3_K64 on Power Plane "3V3_K64_L03_P010" (solid, pour order 10): 27.178,43.79 48.159,43.789 53.238,38.71 53.238,37.719 50.622,37.719 49.2,39.141 33.909,39.141 33.858,39.091 33.757,38.989 33.757,25.095 55.347,25.095 55.372,25.121 55.397,25.146 56.693,25.146 56.693,21.742 42.342,21.742 42.012,21.412 42.012,17.247 41.961,17.196 40.411,17.196 40.411,21.488 40.437,21.514 40.386,21.565 27.178,21.565 27.178,37.188
3V3_K64 on Power Plane "3V3_K64_L03_P020" (solid, remove dead copper, pour order 20): 54.762,31.852 56.058,31.852 56.337,31.572 56.998,30.912 56.998,21.742 54.889,19.634 54.762,21.742 54.737,21.717
3V3_K64 on Power Plane "3V3_K64_L03_P032" (solid, pour order 32): 17.704,29.845 28.88,29.845 29.413,29.312 29.413,25.883 29.185,25.654 29.032,25.502 19.964,25.502 17.983,25.502 17.501,25.984 17.501,29.642
3V3_K64 on Power Plane "3V3_K64_L03_P040" (solid, pour order 40): 27.178,41.326 27.178,62.636 27.432,62.89 29.464,62.89 29.642,62.713 29.642,41.453 29.515,41.326
3V3_K64 on Power Plane "3V3_K64_L03_P042" (solid, pour order 42): 16.485,55.855 17.424,55.855 17.475,55.804 17.475,54.94 17.729,54.686 17.958,54.458 27.381,54.458 27.483,54.356 27.483,53.594 17.501,53.594 16.485,54.61
3V3_K64 on Power Plane "3V3_K64_L03_P044" (solid, remove dead copper, pour order 44): 16.027,64.745 17.856,62.916 41.351,62.916 41.885,63.449 41.885,64.592 42.164,64.872 42.926,64.872 43.256,64.541 43.256,62.916 42.062,61.722 17.348,61.722 14.326,64.745
GND on Power Plane "GND_L03_P050" (solid, remove dead copper, pour order 50): 0,70 73.736,70 73.736,36.601 87.5,36.601 87.5,0 0,0
VIN on Top Layer "VIN_L01_P036" (solid, pour order 36): 9.22,25.73 12.217,25.73 12.497,25.451 12.497,20.955 11.786,20.244 11.582,20.041 7.899,20.041 7.468,19.609 7.417,19.609 7.417,9.804 5.036,9.804 5.036,21.038 5.537,21.539 6.299,22.301 8.941,22.301 9.22,22.581
VIN on Top Layer "VIN_L01_P034" (solid, remove dead copper, pour order 34): 2.39,25.73 9.246,25.73 9.246,29.413 12.522,29.413 12.522,23.673 12.37,23.52 12.344,23.546 9.373,23.546 8.915,23.546 8.865,23.495 1.727,23.495 1.727,24.994
GND on Top Layer "GND_L01_P048" (solid, remove dead copper, pour order 48): -0.025,69.959 73.812,69.959 73.812,36.551 87.475,36.551 87.475,-0.041 -0.025,-0.041
GND on GND Plane "GND_L02_P046" (solid, remove dead copper, pour order 46): 0,70 73.787,70 73.787,36.5 87.5,36.5 87.5,0 0,0
GND on Bottom Layer "GND_L04_P052" (solid, remove dead copper, pour order 52): 0,70 73.787,70 73.787,36.551 87.5,36.551 87.5,0 0,0

## Keep-outs
Keep-Out Layer:
  lines w0.254: -3.008,1.524 -2.5,0 ; -3.008,68.476 -2.5,70 ; -2.754,0 -2.246,0 ; -2.754,70 -2.246,70 ; -2.5,29.896 -2.5,0 ; -2.5,40.104 -2.5,70 ; -1.992,1.524 -2.5,0 ; -1.992,68.476 -2.5,70 ; 0,-2.754 0,-2.246 ; 1.524,-3.008 0,-2.5 ; 1.524,-1.992 0,-2.5 ; 37.25,-2.5 0,-2.5 ; 50.25,-2.5 87.5,-2.5 ; 85.976,-3.008 87.5,-2.5 ; 85.976,-1.992 87.5,-2.5 ; 87.5,-2.754 87.5,-2.246 ; 0,0 87.5,0 87.5,40.716 80.493,40.716 80.493,70 0,70 0,0
  text "70 (mm)" at -1.586,30.15 h1.52 r90
  text "87.5 (mm)" at 37.504,-3.414 h1.52

## Other copper
Top Layer:
  region net 3V3_K64: 47.625,43.739 47.727,43.637 47.727,42.697 47.574,42.545 44.704,42.545 44.45,42.799 44.45,43.612 44.577,43.739
  region net 3V3_K64: 17.704,29.845 20.244,29.845 20.472,29.616 20.472,26.34 20.218,26.086 17.907,26.086 17.602,26.391 17.602,29.693
  region net GND: 17.678,30.302 17.653,30.328 17.653,31.674 16.967,31.674 16.383,32.258 16.383,32.969 20.269,32.969 20.269,30.302 20.244,30.277
  region net GND: 57.607,3.861 57.607,0.432 59.69,0.432 59.69,2.87 58.699,3.861
  region net GND: 58.496,7.188 58.496,8.992 59.842,8.992 59.842,7.188
  region net P3V3: 56.566,7.214 56.54,7.239 56.54,7.722 55.448,8.814 55.448,10.897 59.487,10.897 59.512,10.922 59.512,9.398 58.598,9.398 58.166,8.966 58.166,7.214
  region net 3V3_K64: 56.49,6.883 58.877,6.883 58.877,5.334 58.318,5.334 58.166,5.182 58.166,4.394 57.785,4.394 57.328,3.937 57.328,0.483 55.093,0.483 55.093,1.118 56.261,2.286 56.261,4.115 56.49,4.343
  region net VDDA_ENET: 57.658,11.76 57.658,15.443 59.233,15.443 59.233,11.786 59.207,11.76
  region net VDIO_ENET: 55.753,11.811 55.753,15.494 57.328,15.494 57.328,11.836 57.302,11.811
  pour cut-out: 35.281,19.304 39.776,19.304 39.802,19.329 39.827,19.304 39.827,16.916 35.306,16.916 35.281,16.942
  region net GND: 23.038,6.909 23.038,14.173 23.47,14.732 23.47,15.621 23.393,15.697 21.158,15.697 21.082,15.621 21.082,14.732 21.463,14.148 21.463,10.065 21.463,6.909
  region net NetL101_1: 21.145,12.865 20.511,12.865 20.434,12.941 20.434,14.059 19.037,15.456 19.037,19.418 19.342,19.418 21.628,19.418 21.628,15.938 20.944,15.939 20.815,15.727 20.815,14.668 21.145,14.16
  region net NetL101_2: 23.368,12.874 24.105,12.874 24.105,14.115 25.222,15.451 25.222,19.427 22.86,19.427 22.86,15.947 23.571,15.947 23.749,15.77 23.749,14.677 23.368,14.169
  region net GND: 35.585,26.695 31.902,26.695 31.902,25.908 35.585,25.908
  region net 3V3_K64: 35.611,27.686 35.611,26.924 32.436,26.924 31.902,26.924 31.902,27.743
  region net VDDA_ENET: 67.259,30.175 68.275,30.175 68.605,29.845 72.212,29.845 72.415,29.642 72.415,28.931 72.415,28.524 72.288,28.448 71.806,28.448 71.628,28.804 70.587,28.804 70.155,29.235 68.605,29.235 68.605,29.413 68.148,29.87 67.259,29.87
  region net VDIO_ENET: 58.318,33.249 61.189,33.249 62.052,33.249 62.382,32.918 62.382,31.877 62.586,31.674 63.627,31.674 63.627,31.394 62.078,31.394 61.417,32.055 61.417,32.385 58.318,32.385
  region net GND: 61.874,33.553 61.874,34.442 61.519,34.798 58.318,34.798 58.318,33.909 60.681,33.909 61.036,33.553
  region net VDIO_ENET: 61.579,26.254 61.605,26.279 61.554,26.33 58.176,26.33 58.176,25.416 61.579,25.416
  region net NetC111_2: 10.77,12.602 21.133,12.602 21.133,11.891 20.041,11.891 18.339,10.189 10.795,10.189 10.77,10.214
  region net GND: 8.458,13.618 18.39,13.618 18.948,13.059 19.914,13.059 19.914,13.923 18.567,15.269 18.567,19.688 18.593,19.714 8.484,19.714 8.458,19.739
  region net NetC111_2: 11.871,9.806 8.357,9.811 8.357,12.602 14.732,12.602 14.732,9.803
  region net 3V8: 23.368,12.602 25.502,12.602 25.73,12.373 36,12.373 36,9.49 28.338,9.49 26.776,10.9 25.527,10.9 24.562,11.865 23.368,11.865
  region net GND: 24.409,9.376 25.908,9.376 25.908,7.852 24.409,7.852
  region net GND: 24.663,12.983 33.63,12.983 33.63,19.71 25.794,19.71 25.794,15.18 25.171,14.558 24.663,14.05
  region net 3V8: 51.968,15.316 53.111,15.316 53.111,21.158 49.962,21.158 49.962,19.837 51.968,19.837
  region net NetC103_2: 13.31,26.492 13.31,32.692 13.31,33.249 14.046,33.249 14.046,34.036 14.859,34.036 14.859,26.492
  region net 3V3: 15.113,34.011 15.113,26.543 16.789,26.543 16.789,31.598 16.612,31.775 16.154,31.775 16.154,32.08 15.977,32.258 15.977,34.011
  region net 3V3: 19.38,34.239 18.263,34.239 18.085,34.061 17.399,34.061 16.916,34.544 16.104,34.544 16.104,34.011 15.113,34.011 15.672,33.452 19.38,33.452
  region net GND: 13.843,35.281 11.328,35.281 11.005,35.604 11.005,38.075 14.859,38.075 14.859,36.271 14.834,36.246 13.843,36.246
  region net GND: 51.791,10.998 53.188,10.998 53.188,6.35 49.657,6.35 49.657,8.433 51.791,8.433
  region net 3V3_K64: 51.765,14.834 53.315,14.834 53.315,11.481 51.765,11.481
  region net GND: 12.548,29.972 12.548,31.775 12.929,32.156 12.929,32.715 12.827,32.817 9.22,32.817 9.195,32.791 9.195,29.972
  region net GND: 68.605,28.854 70.129,28.854 70.536,28.448 71.45,28.448 71.45,21.768 67.894,21.768 67.894,23.8 68.605,24.511
  pour cut-out: 35.642,20.5 7.468,20.5 7.468,8.365 16.27,8.365 16.27,4.724 35.524,4.724
  pour cut-out: 48.743,21.257 51.968,21.257 51.968,8.738 51.841,8.611 48.778,8.611 48.755,8.634 48.755,20.663 48.743,20.676
  pour cut-out: 12.344,30.103 17.602,30.103 17.602,26.187 17.577,26.162 12.344,26.162
GND Plane:
  pour cut-out: 24.486,8.738 24.486,6.883 24.041,6.439 17.081,6.439 16.815,6.172 16.815,5.664 17.094,5.385 25.425,5.385 25.806,5.766 25.781,5.791 25.781,8.738
Power Plane:
  pour cut-out: 24.486,8.738 24.486,6.883 24.041,6.439 17.081,6.439 16.815,6.172 16.815,5.664 17.094,5.385 25.425,5.385 25.806,5.766 25.781,5.791 25.781,8.738
  region net 3V3_K64: 54.204,15.037 52.07,15.037 52.07,11.582 54.178,11.582 54.204,11.557
  region net 3V3_K64: 41.351,62.916 41.783,63.348 41.783,64.719 41.961,64.897 43.053,64.897 43.282,64.668 43.256,64.643 43.256,62.916
Bottom Layer:
  pour cut-out: 24.486,8.738 24.486,6.883 24.041,6.439 17.081,6.439 16.815,6.172 16.815,5.664 17.094,5.385 25.425,5.385 25.806,5.766 25.781,5.791 25.781,8.738

## Silkscreen, mask and mechanical layers (free items; w line width, h text height)
Top Overlay:
  drawing of 407 lines, arcs and shapes, not listed
  text "Layer" at 99.47,81.688 h1.52
  text "Name" at 109.882,81.688 h1.52
  text "Material" at 133.497,81.688 h1.52
  text "Thickness" at 155.335,81.688 h1.52
  text "Constant" at 171.841,81.688 h1.52
  text "Board Layer Stack" at 186.316,81.688 h1.52
  text "1" at 99.47,78.64 h1.52
  text "Top Overlay" at 109.882,78.64 h1.52
  text "2" at 99.47,75.592 h1.52
  text "Top Solder" at 109.882,75.592 h1.52
  text "Solder Resist" at 133.497,75.592 h1.52
  text "0.40mil" at 155.335,75.592 h1.52
  text "3.5" at 171.841,75.592 h1.52
  text "3" at 99.47,72.544 h1.52
  text "Top Layer" at 109.882,72.544 h1.52
  text "Copper" at 133.497,72.544 h1.52
  text "1.40mil" at 155.335,72.544 h1.52
  text "4" at 99.47,69.496 h1.52
  text "Dielectric 1" at 109.882,69.496 h1.52
  text "FR-4" at 133.497,69.496 h1.52
  text "6.00mil" at 155.335,69.496 h1.52
  text "4.2" at 171.841,69.496 h1.52
  text "5" at 99.47,66.448 h1.52
  text "GND Plane" at 109.882,66.448 h1.52
  text "Copper" at 133.497,66.448 h1.52
  text "1.40mil" at 155.335,66.448 h1.52
  text "6" at 99.47,63.4 h1.52
  text "Dielectric 3" at 109.882,63.4 h1.52
  text "FR-4" at 133.497,63.4 h1.52
  text "45.28mil" at 155.335,63.4 h1.52
  text "4.2" at 171.841,63.4 h1.52
  text "MCU" at 29.54,62.84 h1
  text "CLK" at 30.175,60.935 h0.8
  text "DIO" at 33.477,60.935 h0.8
  text "GND" at 36.424,60.935 h0.8
  text "3v3" at 39.954,60.935 h0.8
  text "7" at 99.47,60.352 h1.52
  text "Power Plane" at 109.882,60.352 h1.52
  text "Copper" at 133.497,60.352 h1.52
  text "1.40mil" at 155.335,60.352 h1.52
  text "RX" at 30.632,59.207 h0.8
  text "TX" at 33.884,59.207 h0.8
  text "GND" at 36.424,59.207 h0.8
  text "3v3" at 39.98,59.207 h0.8
  text "GND" at 43.815,58.344 h1
  text "GND" at 47.523,58.344 h1
  text "3V3" at 50.952,58.344 h1
  text "8" at 99.47,57.304 h1.52
  text "Dielectric 2" at 109.882,57.304 h1.52
  text "FR-4" at 133.497,57.304 h1.52
  text "6.00mil" at 155.335,57.304 h1.52
  text "4.2" at 171.841,57.304 h1.52
  text "RX" at 43.815,56.286 h1
  text "TDO" at 47.523,56.286 h1
  text "TCK" at 50.952,56.286 h1
  text "TX" at 43.815,54.254 h1
  text "TMS" at 47.523,54.254 h1
  text "TDI" at 50.952,54.254 h1
  text "9" at 99.47,54.256 h1.52
  text "Bottom Layer" at 109.882,54.256 h1.52
  text "Copper" at 133.497,54.256 h1.52
  text "1.40mil" at 155.335,54.256 h1.52
  text "ZIGBEE" at 45.085,51.943 h1
  text "10" at 99.47,51.208 h1.52
  text "Bottom Solder" at 109.882,51.208 h1.52
  text "Solder Resist" at 133.497,51.208 h1.52
  text "0.40mil" at 155.335,51.208 h1.52
  text "3.5" at 171.841,51.208 h1.52
  text "11" at 99.47,48.16 h1.52
  text "Bottom Overlay" at 109.882,48.16 h1.52
  text "RESET" at 0.838,43.485 h1
  text "TX" at 40.081,4.953 h0.8
  text "GND" at 45.161,4.953 h0.8
  text "RX" at 42.748,4.928 h0.8
  text "GND" at 28.448,4.496 h0.8
  text "MCU" at 20.752,4.445 h0.8
  text "RX" at 23.52,4.445 h0.8
  text "TX" at 25.756,4.445 h0.8
  text "3G" at 20.93,2.083 h0.8
  text "RX" at 25.959,2.057 h0.8
  text "GND" at 28.423,2.057 h0.8
  text "TX" at 23.495,2.032 h0.8
Mechanical 1:
  circle w0.254: c51.95,3.05 r3
  circle w0.254: c51.95,43.55 r3
  lines w0.2: 15.077,16.582 15.077,16.682
ASM TOP:
  lines w0.254: -3.008,1.524 -2.5,0 ; -3.008,68.476 -2.5,70 ; -2.754,0 -2.246,0 ; -2.754,70 -2.246,70 ; -2.5,29.896 -2.5,0 ; -2.5,40.104 -2.5,70 ; -1.992,1.524 -2.5,0 ; -1.992,68.476 -2.5,70 ; 0,-2.754 0,-2.246 ; 1.524,-3.008 0,-2.5 ; 1.524,-1.992 0,-2.5 ; 37.25,-2.5 0,-2.5 ; 50.25,-2.5 87.5,-2.5 ; 85.976,-3.008 87.5,-2.5 ; 85.976,-1.992 87.5,-2.5 ; 87.5,-2.754 87.5,-2.246 ; 0,0 0,70 80.493,70 80.493,40.716 87.5,40.716 87.5,0 0,0
  text "70 (mm)" at -1.586,30.15 h1.52 r90
  text "87.5 (mm)" at 37.504,-3.414 h1.52

## Text inside footprints (layer, text, board x,y; h text height)
U200: Top Overlay "*" at 33.858,38.532 h0.8